# KiCad board rabbit_mask_capacitors_right.kicad_pcb (continued)
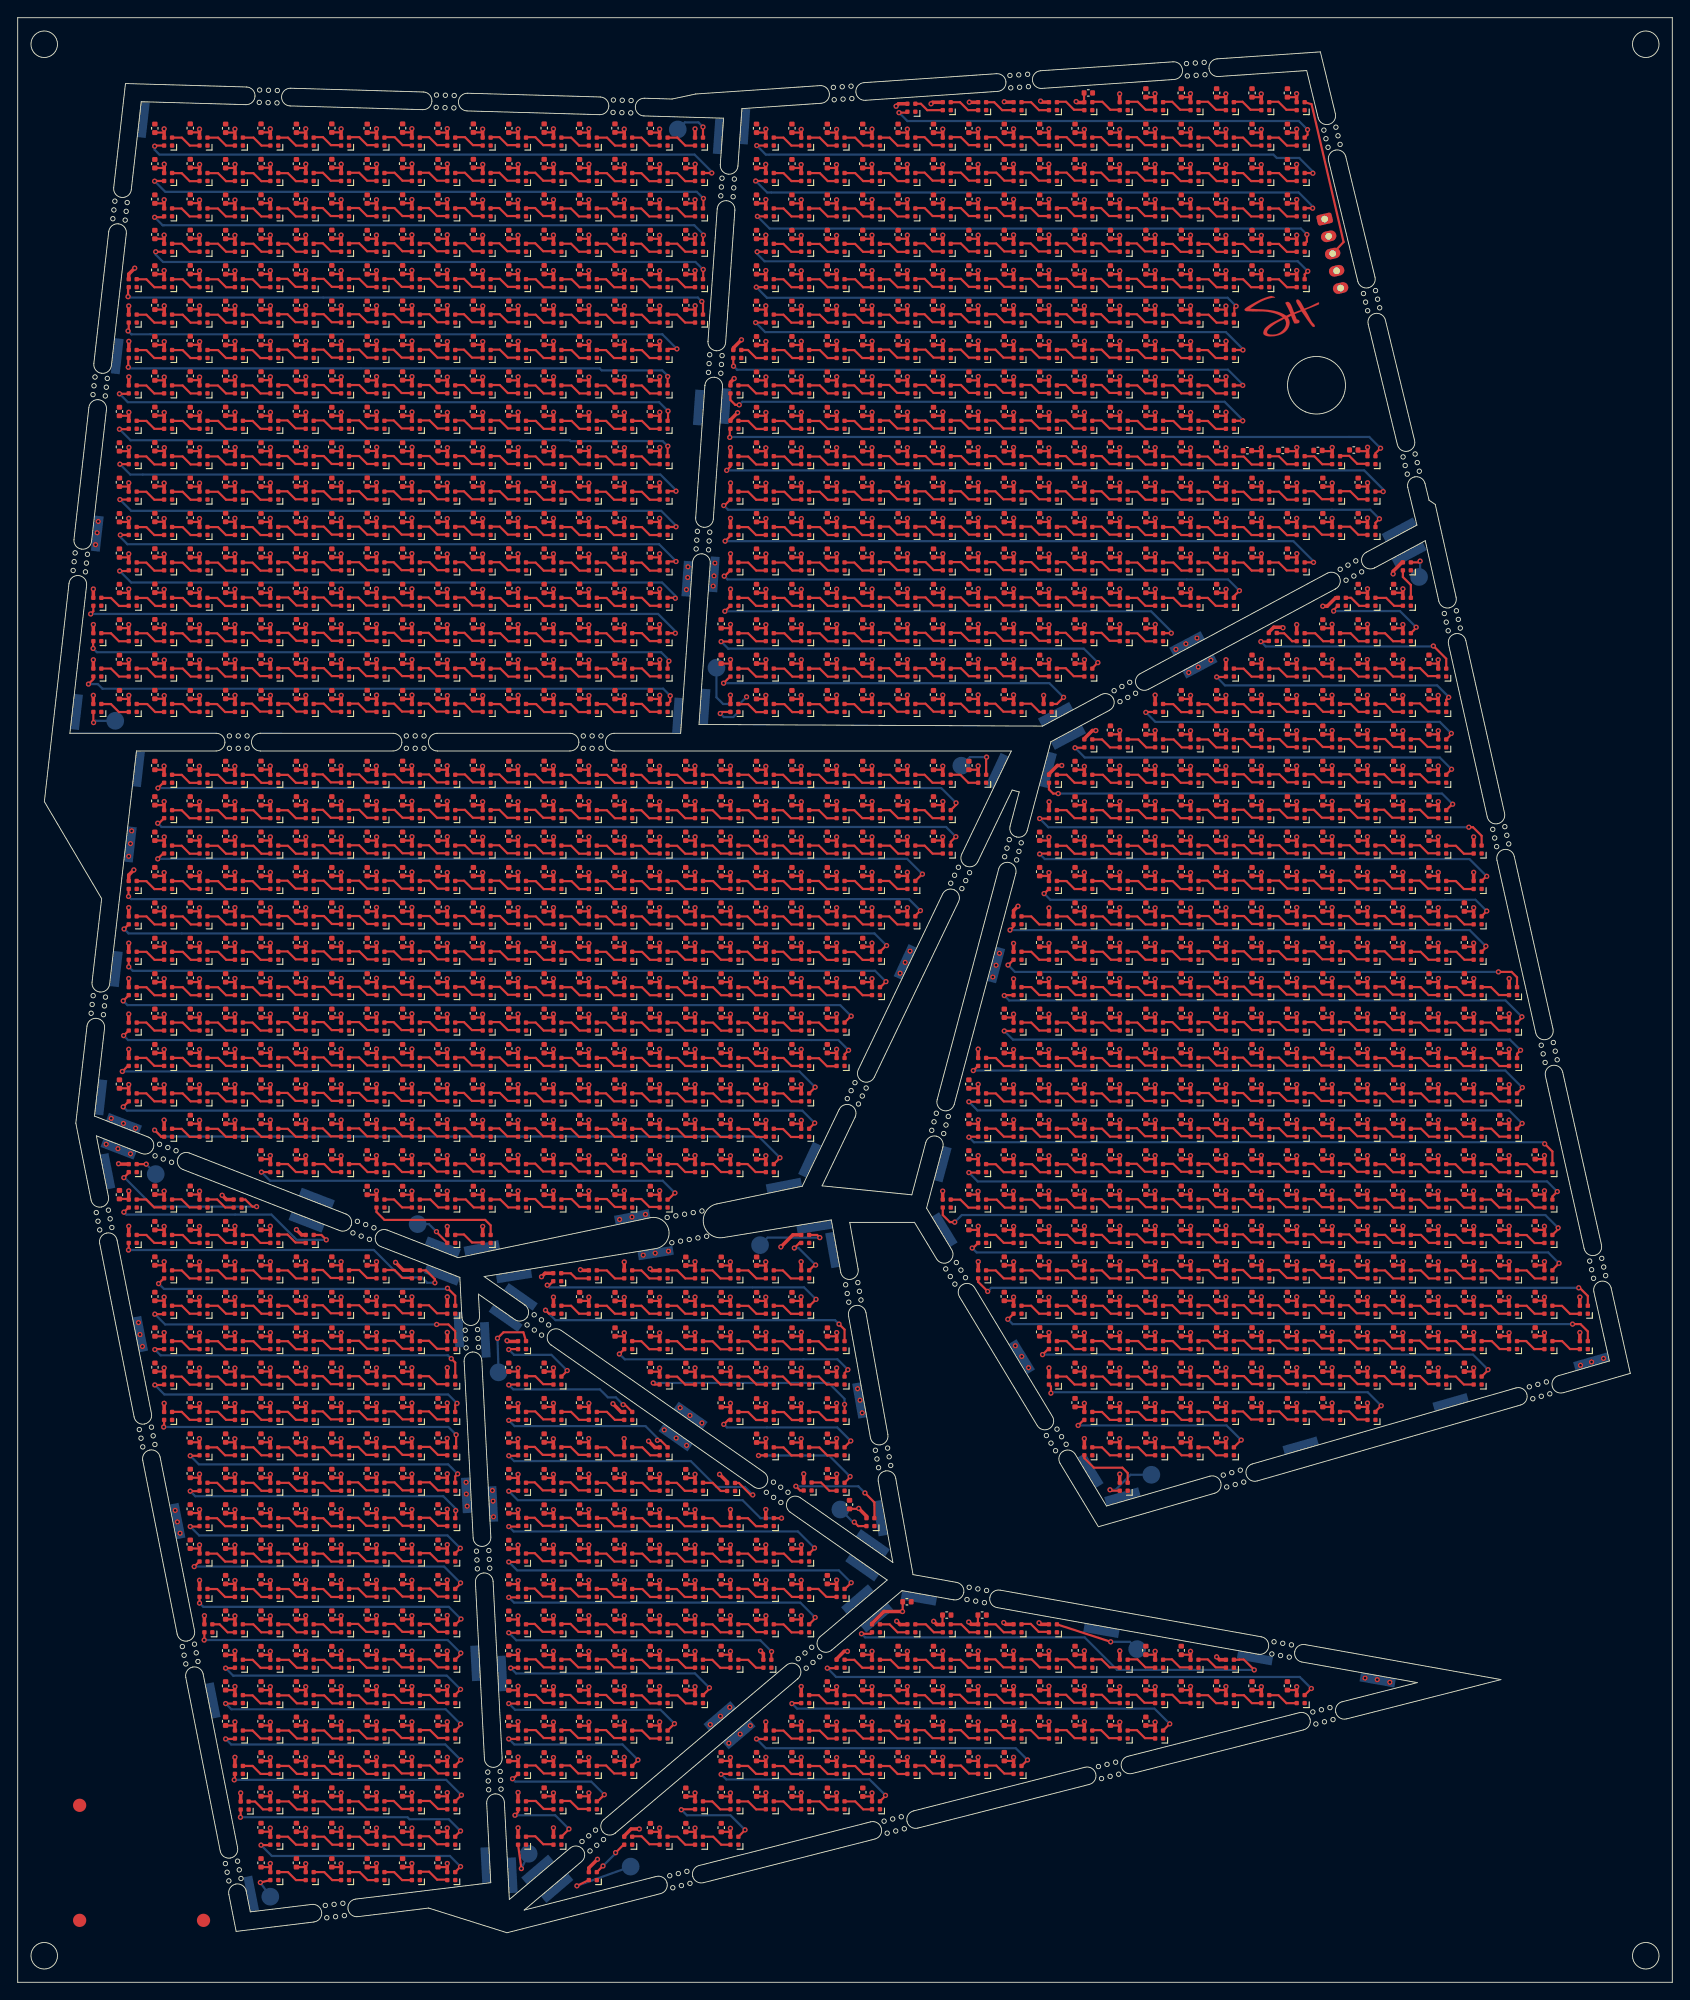
[diagram p0: board, top side]
## Routing (per net, layer and track width the routed paths; a pad name or vN(x,y) marks a point on that pad's centre or on a via; arc(x,y) is an arc through that point) (continued)
Net-(D1966-DIN): length 3.5
  Top w0.25: 29.49,152.49 30.59,152.49 31.49,151.59 32.59,151.59
Net-(D1967-DIN): length 3.5
  Top w0.25: 33.49,152.49 34.59,152.49 35.49,151.59 36.59,151.59
Net-(D1968-DIN): length 3.5
  Top w0.25: 40.49,151.59 39.39,151.59 38.49,152.49 37.39,152.49
Net-(D1969-DIN): length 3.5
  Top w0.25: 41.44,152.49 42.54,152.49 43.44,151.59 44.54,151.59
Net-(D1970-DIN): length 3.5
  Top w0.25: 48.44,151.59 47.34,151.59 46.44,152.49 45.34,152.49
Net-(D1971-DIN): length 3.5
  Top w0.25: 52.49,151.59 51.39,151.59 50.49,152.49 49.39,152.49
Net-(D1972-DIN): length 3.5
  Top w0.25: 56.54,151.54 55.44,151.54 54.54,152.44 53.44,152.44
Net-(D1973-DIN): length 3.5
  Top w0.25: 60.59,151.54 59.49,151.54 58.59,152.44 57.49,152.44
Net-(D1974-DIN): length 3.5
  Top w0.25: 64.49,151.54 63.39,151.54 62.49,152.44 61.39,152.44
Net-(D1975-DIN): length 3.5
  Top w0.25: 65.44,152.44 66.54,152.44 67.44,151.54 68.54,151.54
Net-(D1976-DIN): length 3.5
  Top w0.25: 69.44,152.46 70.54,152.46 71.44,151.56 72.54,151.56
Net-(D1978-DIN): length 3.5
  Top w0.25: 81.45,152.44 82.55,152.44 83.45,151.54 84.55,151.54
Net-(D1978-DOUT): length 45.6
  Top w0.25: D2023.1 121.45,148.5 v1(122.07,149.12) ; v1(79.5,151.5) 80.5,151.5 D1978.3
  Bottom w0.25: v1(79.5,151.5) 80.3,150.7 120.5,150.7 v1(122.07,149.12)
Net-(D1979-DIN): length 3.5
  Top w0.25: 85.55,152.44 86.65,152.44 87.55,151.54 88.65,151.54
Net-(D1980-DIN): length 3.5
  Top w0.25: 92.65,151.54 91.55,151.54 90.65,152.44 89.55,152.44
Net-(D1981-DIN): length 3.5
  Top w0.25: 96.55,151.54 95.45,151.54 94.55,152.44 93.45,152.44
Net-(D1982-DIN): length 3.5
  Top w0.25: 100.5,151.59 99.4,151.59 98.5,152.49 97.4,152.49
Net-(D1983-DIN): length 3.5
  Top w0.25: 101.5,152.49 102.6,152.49 103.5,151.59 104.6,151.59
Net-(D1984-DIN): length 3.5
  Top w0.25: 108.6,151.59 107.5,151.59 106.6,152.49 105.5,152.49
Net-(D1985-DIN): length 3.5
  Top w0.25: 112.5,151.59 111.4,151.59 110.5,152.49 109.4,152.49
Net-(D1986-DIN): length 3.5
  Top w0.25: 113.45,152.49 114.55,152.49 115.45,151.59 116.55,151.59
Net-(D1987-DIN): length 3.5
  Top w0.25: 120.45,151.59 119.35,151.59 118.45,152.49 117.35,152.49
Net-(D1988-DIN): length 3.5
  Top w0.25: 121.4,152.49 122.5,152.49 123.4,151.59 124.5,151.59
Net-(D1989-DIN): length 3.5
  Top w0.25: 125.45,152.44 126.55,152.44 127.45,151.54 128.55,151.54
Net-(D1991-DIN): length 2.4
  Top w0.25: 142.54,152.44 143.13,152.44 144.04,151.54 144.54,151.54
Net-(D1991-DOUT): length 23.8
  Top w0.25: D2030.1 161.45,149.56 160.01,151 v1(160,151) ; v1(140.5,151.5) 141.32,151.5 D1991.3
  Bottom w0.25: v1(140.5,151.5) 141.05,150.95 159.95,150.95 v1(160,151)
Net-(D1992-DIN): length 3.5
  Top w0.25: 145.54,152.44 146.64,152.44 147.54,151.54 148.64,151.54
Net-(D1993-DIN): length 3.5
  Top w0.25: 152.64,151.54 151.54,151.54 150.64,152.44 149.54,152.44
Net-(D1994-DIN): length 3.5
  Top w0.25: 156.54,151.54 155.44,151.54 154.54,152.44 153.44,152.44
Net-(D1996-DIN): length 3.5
  Top w0.25: D1996.1 10.55,148.45 11.45,147.55 D1997.3
Net-(D1996-DOUT): length 68.4
  Top w0.25: v1(73.75,145.38) 73.75,144.75 D2047.1 ; v1(8,146.7) 8.55,147.25 D1996.3
  Bottom w0.25: v1(8,146.7) 9.05,146.7 9.57,146.18 72.95,146.18 v1(73.75,145.38)
Net-(D1997-DIN): length 3.5
  Top w0.25: 13.55,148.45 14.65,148.45 15.55,147.55 16.65,147.55
Net-(D1998-DIN): length 3.5
  Top w0.25: 20.65,147.55 19.55,147.55 18.65,148.45 17.55,148.45
Net-(D1999-DIN): length 3.5
  Top w0.25: D1999.1 22.55,148.45 23.45,147.55 D2000.3
Net-(D2000-DIN): length 3.5
  Top w0.25: 28.5,147.6 27.4,147.6 26.5,148.5 25.4,148.5
Net-(D2001-DIN): length 3.5
  Top w0.25: 29.5,148.5 30.6,148.5 31.5,147.6 32.6,147.6
Net-(D2002-DIN): length 3.5
  Top w0.25: 33.5,148.5 34.6,148.5 35.5,147.6 36.6,147.6
Net-(D2003-DIN): length 3.5
  Top w0.25: 37.4,148.5 38.5,148.5 39.4,147.6 40.5,147.6
Net-(D2004-DIN): length 3.5
  Top w0.25: 41.45,148.5 42.55,148.5 43.45,147.6 44.55,147.6
Net-(D2005-DIN): length 3.5
  Top w0.25: 48.45,147.6 47.35,147.6 46.45,148.5 45.35,148.5
Net-(D2006-DIN): length 3.5
  Top w0.25: 49.4,148.5 50.5,148.5 51.4,147.6 52.5,147.6
Net-(D2007-DIN): length 3.5
  Top w0.25: D2007.1 54.55,148.45 55.45,147.55 D2008.3
Net-(D2008-DIN): length 3.5
  Top w0.25: 57.5,148.45 58.6,148.45 59.5,147.55 60.6,147.55
Net-(D2009-DIN): length 3.5
  Top w0.25: 64.5,147.55 63.4,147.55 62.5,148.45 61.4,148.45
Net-(D2010-DIN): length 3.5
  Top w0.25: D2010.1 66.55,148.45 67.45,147.55 D2011.3
Net-(D2011-DIN): length 3.5
  Top w0.25: 72.55,147.57 71.45,147.57 70.55,148.47 69.45,148.47
Net-(D2013-DIN): length 3.5
  Top w0.25: 81.45,148.44 82.55,148.44 83.45,147.54 84.55,147.54
Net-(D2013-DOUT): length 41.8
  Top w0.25: D2057.1 117.45,144.45 v1(118.2,145.2) ; v1(79.77,146.8) 80.52,147.55 D2013.3
  Bottom w0.25: v1(118.2,145.2) 116.6,146.8 v1(79.77,146.8)
Net-(D2014-DIN): length 3.5
  Top w0.25: 88.65,147.54 87.55,147.54 86.65,148.44 85.55,148.44
Net-(D2015-DIN): length 3.5
  Top w0.25: 89.55,148.44 90.65,148.44 91.55,147.54 92.65,147.54
Net-(D2016-DIN): length 3.5
  Top w0.25: 93.45,148.44 94.55,148.44 95.45,147.54 96.55,147.54
Net-(D2017-DIN): length 3.5
  Top w0.25: 100.5,147.59 99.4,147.59 98.5,148.49 97.4,148.49
Net-(D2018-DIN): length 3.5
  Top w0.25: 104.6,147.59 103.5,147.59 102.6,148.49 101.5,148.49
Net-(D2019-DIN): length 3.5
  Top w0.25: 108.6,147.59 107.5,147.59 106.6,148.49 105.5,148.49
Net-(D2020-DIN): length 3.5
  Top w0.25: 112.5,147.59 111.4,147.59 110.5,148.49 109.4,148.49
Net-(D2021-DIN): length 3.5
  Top w0.25: 113.45,148.49 114.55,148.49 115.45,147.59 116.55,147.59
Net-(D2022-DIN): length 3.5
  Top w0.25: 120.45,147.59 119.35,147.59 118.45,148.49 117.35,148.49
Net-(D2024-DIN): length 3.5
  Top w0.25: 140.55,147.54 139.45,147.54 138.55,148.44 137.45,148.44
Net-(D2024-DOUT): length 29.1
  Top w0.25: v1(135.5,147.5) 136.5,147.5 D2024.3 ; v1(161.73,145.2) 161.45,144.93 D2066.1
  Bottom w0.25: v1(135.5,147.5) 136.45,146.55 160.43,146.55 161.73,145.26 v1(161.73,145.2)
Net-(D2025-DIN): length 3.5
  Top w0.25: 144.54,147.55 143.44,147.55 142.54,148.45 141.44,148.45
Net-(D2026-DIN): length 3.5
  Top w0.25: 148.64,147.55 147.54,147.55 146.64,148.45 145.54,148.45
Net-(D2027-DIN): length 3.5
  Top w0.25: 152.64,147.55 151.54,147.55 150.64,148.45 149.54,148.45
Net-(D2028-DIN): length 3.5
  Top w0.25: 153.44,148.45 154.54,148.45 155.44,147.55 156.54,147.55
Net-(D2029-DIN): length 3.5
  Top w0.25: 160.49,147.6 159.39,147.6 158.49,148.5 157.39,148.5
Net-(D2031-DIN): length 3.5
  Top w0.25: 12.54,143.54 11.44,143.54 10.54,144.44 9.44,144.44
Net-(D2032-DIN): length 3.5
  Top w0.25: 13.54,144.44 14.64,144.44 15.54,143.54 16.64,143.54
Net-(D2033-DIN): length 3.5
  Top w0.25: 20.64,143.54 19.54,143.54 18.64,144.44 17.54,144.44
Net-(D2034-DIN): length 3.5
  Top w0.25: 24.54,143.54 23.44,143.54 22.54,144.44 21.44,144.44
Net-(D2035-DIN): length 3.5
  Top w0.25: 28.49,143.59 27.39,143.59 26.49,144.49 25.39,144.49
Net-(D2036-DIN): length 3.5
  Top w0.25: 29.49,144.49 30.59,144.49 31.49,143.59 32.59,143.59
Net-(D2037-DIN): length 3.5
  Top w0.25: 36.59,143.59 35.49,143.59 34.59,144.49 33.49,144.49
Net-(D2038-DIN): length 3.5
  Top w0.25: 40.49,143.59 39.39,143.59 38.49,144.49 37.39,144.49
Net-(D2039-DIN): length 3.5
  Top w0.25: 41.44,144.49 42.54,144.49 43.44,143.59 44.54,143.59
Net-(D2040-DIN): length 3.5
  Top w0.25: 45.34,144.49 46.44,144.49 47.34,143.59 48.44,143.59
Net-(D2041-DIN): length 3.5
  Top w0.25: 49.39,144.49 50.49,144.49 51.39,143.59 52.49,143.59
Net-(D2042-DIN): length 3.5
  Top w0.25: 53.44,144.44 54.54,144.44 55.44,143.54 56.54,143.54
Net-(D2043-DIN): length 3.5
  Top w0.25: 60.59,143.54 59.49,143.54 58.59,144.44 57.49,144.44
Net-(D2044-DIN): length 3.5
  Top w0.25: 61.39,144.44 62.49,144.44 63.39,143.54 64.49,143.54
Net-(D2045-DIN): length 3.5
  Top w0.25: 68.54,143.54 67.44,143.54 66.54,144.44 65.44,144.44
Net-(D2046-DIN): length 3.5
  Top w0.25: 69.44,144.46 70.54,144.46 71.44,143.56 72.54,143.56
Net-(D2048-DIN): length 3.5
  Top w0.25: 81.45,144.43 82.55,144.43 83.45,143.53 84.55,143.53
Net-(D2049-DIN): length 3.5
  Top w0.25: 85.55,144.43 86.65,144.43 87.55,143.53 88.65,143.53
Net-(D2050-DIN): length 3.5
  Top w0.25: 89.55,144.43 90.65,144.43 91.55,143.53 92.65,143.53
Net-(D2051-DIN): length 3.5
  Top w0.25: 96.55,143.53 95.45,143.53 94.55,144.43 93.45,144.43
Net-(D2052-DIN): length 3.5
  Top w0.25: 97.4,144.48 98.5,144.48 99.4,143.58 100.5,143.58
Net-(D2053-DIN): length 3.5
  Top w0.25: 104.6,143.58 103.5,143.58 102.6,144.48 101.5,144.48
Net-(D2054-DIN): length 3.5
  Top w0.25: 105.5,144.48 106.6,144.48 107.5,143.58 108.6,143.58
Net-(D2055-DIN): length 3.5
  Top w0.25: 112.5,143.58 111.4,143.58 110.5,144.48 109.4,144.48
Net-(D2056-DIN): length 2.9
  Top w0.25: D2057.3 115.48,143.55 114.55,144.48 113.45,144.48
Net-(D2058-DIN): length 3.5
  Top w0.25: 132.6,143.53 131.5,143.53 130.6,144.43 129.5,144.43
Net-(D2058-DOUT): length 37.5
  Top w0.25: D2077.1 162.02,141.03 v1(162.02,141.12) ; D2058.3 127.55,143.55 v1(127.5,143.5)
  Bottom w0.25: v1(127.5,143.5) 128.57,142.43 160.73,142.43 v1(162.02,141.12)
Net-(D2059-DIN): length 3.5
  Top w0.25: 133.4,144.43 134.5,144.43 135.4,143.53 136.5,143.53
Net-(D2060-DIN): length 3.5
  Top w0.25: 137.45,144.43 138.55,144.43 139.45,143.53 140.55,143.53
Net-(D2061-DIN): length 3.5
  Top w0.25: 141.44,144.46 142.54,144.46 143.44,143.56 144.54,143.56
Net-(D2062-DIN): length 3.5
  Top w0.25: 145.54,144.46 146.64,144.46 147.54,143.56 148.64,143.56
Net-(D2063-DIN): length 3.5
  Top w0.25: 149.54,144.46 150.64,144.46 151.54,143.56 152.64,143.56
Net-(D2064-DIN): length 3.5
  Top w0.25: 156.54,143.56 155.44,143.56 154.54,144.46 153.44,144.46
Net-(D2065-DIN): length 3.5
  Top w0.25: 160.49,143.61 159.39,143.61 158.49,144.51 157.39,144.51
Net-(D2067-DIN): length 3.5
  Top w0.25: 121.45,140.44 122.55,140.44 123.45,139.54 124.55,139.54
Net-(D2067-DOUT): length 45.5
  Top w0.25: D2113.1 161.45,136.47 v1(162.05,137.07) ; v1(119.5,139.5) 120.5,139.5 D2067.3
  Bottom w0.25: v1(162.05,137.07) 160.73,138.4 120.6,138.4 v1(119.5,139.5)
Net-(D2068-DIN): length 3.5
  Top w0.25: 128.65,139.54 127.55,139.54 126.65,140.44 125.55,140.44
Net-(D2069-DIN): length 3.5
  Top w0.25: 132.65,139.54 131.55,139.54 130.65,140.44 129.55,140.44
Net-(D2070-DIN): length 3.5
  Top w0.25: 136.55,139.54 135.45,139.54 134.55,140.44 133.45,140.44
Net-(D2071-DIN): length 3.5
  Top w0.25: 137.4,140.49 138.5,140.49 139.4,139.59 140.5,139.59
Net-(D2072-DIN): length 3.5
  Top w0.25: 141.5,140.49 142.6,140.49 143.5,139.59 144.6,139.59
Net-(D2073-DIN): length 3.5
  Top w0.25: 148.6,139.59 147.5,139.59 146.6,140.49 145.5,140.49
Net-(D2074-DIN): length 3.5
  Top w0.25: 149.4,140.49 150.5,140.49 151.4,139.59 152.5,139.59
Net-(D2075-DIN): length 3.5
  Top w0.25: 156.55,139.59 155.45,139.59 154.55,140.49 153.45,140.49
Net-(D2076-DIN): length 3.5
  Top w0.25: 157.35,140.49 158.45,140.49 159.35,139.59 160.45,139.59
Net-(D2078-DIN): length 3.5
  Top w0.25: 20.54,135.54 19.44,135.54 18.54,136.44 17.44,136.44
Net-(D2078-DOUT): length 92.9
  Top w0.25: D2078.3 16.45,135.55 v1(15.85,134.95) ; v1(106.05,133.28) 106.05,133.05 D2136.1
  Bottom w0.25: v1(106.05,133.28) 104.38,134.95 v1(15.85,134.95)
Net-(D2079-DIN): length 3.5
  Top w0.25: 21.54,136.44 22.64,136.44 23.54,135.54 24.64,135.54
Net-(D2080-DIN): length 3.5
  Top w0.25: 25.54,136.44 26.64,136.44 27.54,135.54 28.64,135.54
Net-(D2081-DIN): length 3.5
  Top w0.25: 32.54,135.54 31.44,135.54 30.54,136.44 29.44,136.44
Net-(D2082-DIN): length 3.5
  Top w0.25: 36.49,135.59 35.39,135.59 34.49,136.49 33.39,136.49
Net-(D2083-DIN): length 3.5
  Top w0.25: 37.49,136.49 38.59,136.49 39.49,135.59 40.59,135.59
Net-(D2084-DIN): length 3.5
  Top w0.25: 41.49,136.49 42.59,136.49 43.49,135.59 44.59,135.59
Net-(D2085-DIN): length 3.5
  Top w0.25: 45.39,136.49 46.49,136.49 47.39,135.59 48.49,135.59
Net-(D2086-DIN): length 3.5
  Top w0.25: 49.44,136.49 50.54,136.49 51.44,135.59 52.54,135.59
Net-(D2087-DIN): length 3.5
  Top w0.25: 56.44,135.59 55.34,135.59 54.44,136.49 53.34,136.49
Net-(D2088-DIN): length 3.5
  Top w0.25: 60.49,135.59 59.39,135.59 58.49,136.49 57.39,136.49
Net-(D2089-DIN): length 3.5
  Top w0.25: 64.54,135.54 63.44,135.54 62.54,136.44 61.44,136.44
Net-(D2090-DIN): length 3.5
  Top w0.25: 65.49,136.44 66.59,136.44 67.49,135.54 68.59,135.54
Net-(D2091-DIN): length 3.5
  Top w0.25: 72.49,135.54 71.39,135.54 70.49,136.44 69.39,136.44
Net-(D2092-DIN): length 3.5
  Top w0.25: 73.44,136.44 74.54,136.44 75.44,135.54 76.54,135.54
Net-(D2093-DIN): length 3.5
  Top w0.25: D2094.3 79.45,135.55 78.55,136.45 D2093.1
Net-(D2094-DIN): length 3.5
  Top w0.25: 84.6,135.55 83.5,135.55 82.6,136.45 81.5,136.45
Net-(D2095-DIN): length 3.5
  Top w0.25: 85.4,136.45 86.5,136.45 87.4,135.55 88.5,135.55
Net-(D2096-DIN): length 3.5
  Top w0.25: D2096.1 90.55,136.45 91.45,135.55 D2097.3
Net-(D2097-DIN): length 3.5
  Top w0.25: 93.44,136.45 94.54,136.45 95.44,135.55 96.54,135.55
Net-(D2098-DIN): length 3.5
  Top w0.25: 97.49,136.45 98.59,136.45 99.49,135.55 100.59,135.55
Net-(D2099-DIN): length 3.5
  Top w0.25: 104.49,135.55 103.39,135.55 102.49,136.45 101.39,136.45
Net-(D2100-DIN): length 3.5
  Top w0.25: 108.54,135.55 107.44,135.55 106.54,136.45 105.44,136.45
Net-(D2102-DIN): length 3.5
  Top w0.25: 120.54,135.55 119.44,135.55 118.54,136.45 117.44,136.45
Net-(D2102-DOUT): length 48.1
  Top w0.25: D2102.3 116.55,134.8 117.02,134.32 v1(117.6,134.32) ; v1(162.18,133.12) 162.12,133.12 D2148.1
  Bottom w0.25: v1(117.6,134.32) 160.98,134.32 v1(162.18,133.12)
Net-(D2103-DIN): length 3.5
  Top w0.25: 124.64,135.55 123.54,135.55 122.64,136.45 121.54,136.45
Net-(D2104-DIN): length 3.5
  Top w0.25: 128.64,135.55 127.54,135.55 126.64,136.45 125.54,136.45
Net-(D2105-DIN): length 3.5
  Top w0.25: 129.44,136.45 130.54,136.45 131.44,135.55 132.54,135.55
Net-(D2106-DIN): length 3.5
  Top w0.25: 136.49,135.6 135.39,135.6 134.49,136.5 133.39,136.5
Net-(D2107-DIN): length 3.5
  Top w0.25: 140.59,135.6 139.49,135.6 138.59,136.5 137.49,136.5
Net-(D2108-DIN): length 3.5
  Top w0.25: 141.49,136.5 142.59,136.5 143.49,135.6 144.59,135.6
Net-(D2109-DIN): length 3.5
  Top w0.25: 148.49,135.6 147.39,135.6 146.49,136.5 145.39,136.5
Net-(D2110-DIN): length 3.5
  Top w0.25: 149.44,136.5 150.54,136.5 151.44,135.6 152.54,135.6
Net-(D2111-DIN): length 3.5
  Top w0.25: 156.44,135.6 155.34,135.6 154.44,136.5 153.34,136.5
Net-(D2112-DIN): length 3.5
  Top w0.25: 157.39,136.5 158.49,136.5 159.39,135.6 160.49,135.6
Net-(D2114-DIN): length 3.5
  Top w0.25: 20.54,131.54 19.44,131.54 18.54,132.44 17.44,132.44
Net-(D2114-DOUT): length 93
  Top w0.25: D2114.3 15.97,130.97 v1(15.82,130.97) ; v1(106.02,129.45) 105.45,128.88 D2171.1
  Bottom w0.25: v1(15.82,130.97) 16.25,130.55 104.93,130.55 v1(106.02,129.45)
Net-(D2115-DIN): length 3.5
  Top w0.25: 21.54,132.44 22.64,132.44 23.54,131.54 24.64,131.54
Net-(D2116-DIN): length 3.5
  Top w0.25: 25.54,132.44 26.64,132.44 27.54,131.54 28.64,131.54
Net-(D2117-DIN): length 3.5
  Top w0.25: 29.44,132.44 30.54,132.44 31.44,131.54 32.54,131.54
Net-(D2118-DIN): length 3.5
  Top w0.25: 36.49,131.59 35.39,131.59 34.49,132.49 33.39,132.49
Net-(D2119-DIN): length 3.5
  Top w0.25: 37.49,132.49 38.59,132.49 39.49,131.59 40.59,131.59
Net-(D2120-DIN): length 3.5
  Top w0.25: 44.59,131.59 43.49,131.59 42.59,132.49 41.49,132.49
Net-(D2121-DIN): length 3.5
  Top w0.25: 48.49,131.59 47.39,131.59 46.49,132.49 45.39,132.49
Net-(D2122-DIN): length 3.5
  Top w0.25: 49.44,132.49 50.54,132.49 51.44,131.59 52.54,131.59
Net-(D2123-DIN): length 3.5
  Top w0.25: 53.34,132.49 54.44,132.49 55.34,131.59 56.44,131.59
Net-(D2124-DIN): length 3.5
  Top w0.25: 57.39,132.49 58.49,132.49 59.39,131.59 60.49,131.59
Net-(D2125-DIN): length 3.5
  Top w0.25: 64.54,131.54 63.44,131.54 62.54,132.44 61.44,132.44
Net-(D2126-DIN): length 3.5
  Top w0.25: 65.49,132.44 66.59,132.44 67.49,131.54 68.59,131.54
Net-(D2127-DIN): length 3.5
  Top w0.25: 69.39,132.44 70.49,132.44 71.39,131.54 72.49,131.54
Net-(D2128-DIN): length 3.5
  Top w0.25: 76.54,131.54 75.44,131.54 74.54,132.44 73.44,132.44
Net-(D2129-DIN): length 3.5
  Top w0.25: 77.45,132.44 78.55,132.44 79.45,131.54 80.55,131.54
Net-(D2130-DIN): length 3.5
  Top w0.25: 84.6,131.54 83.5,131.54 82.6,132.44 81.5,132.44
Net-(D2131-DIN): length 3.5
  Top w0.25: 85.4,132.44 86.5,132.44 87.4,131.54 88.5,131.54
Net-(D2132-DIN): length 3.5
  Top w0.25: 92.55,131.54 91.45,131.54 90.55,132.44 89.45,132.44
Net-(D2133-DIN): length 3.5
  Top w0.25: D2134.3 95.45,131.55 94.55,132.45 D2133.1
Net-(D2134-DIN): length 3.5
  Top w0.25: 100.6,131.55 99.5,131.55 98.6,132.45 97.5,132.45
Net-(D2135-DIN): length 3.5
  Top w0.25: 101.4,132.45 102.5,132.45 103.4,131.55 104.5,131.55
Net-(D2137-DIN): length 3.5
  Top w0.25: 117.44,132.45 118.54,132.45 119.44,131.55 120.54,131.55
Net-(D2137-DOUT): length 52.9
  Top w0.25: D2184.1 165.45,129.55 164.48,130.53 v1(164,130.53) ; v1(115.5,131.5) 116.5,131.5 D2137.3
  Bottom w0.25: v1(115.5,131.5) 116.48,130.53 v1(164,130.53)
Net-(D2138-DIN): length 3.5
  Top w0.25: 124.64,131.55 123.54,131.55 122.64,132.45 121.54,132.45
Net-(D2139-DIN): length 3.5
  Top w0.25: 128.64,131.55 127.54,131.55 126.64,132.45 125.54,132.45
Net-(D2140-DIN): length 3.5
  Top w0.25: 129.44,132.45 130.54,132.45 131.44,131.55 132.54,131.55
Net-(D2141-DIN): length 3.5
  Top w0.25: 136.49,131.6 135.39,131.6 134.49,132.5 133.39,132.5
Net-(D2142-DIN): length 3.5
  Top w0.25: 140.59,131.6 139.49,131.6 138.59,132.5 137.49,132.5
Net-(D2143-DIN): length 3.5
  Top w0.25: 144.59,131.6 143.49,131.6 142.59,132.5 141.49,132.5
Net-(D2144-DIN): length 3.5
  Top w0.25: 148.49,131.6 147.39,131.6 146.49,132.5 145.39,132.5
Net-(D2145-DIN): length 3.5
  Top w0.25: 152.54,131.6 151.44,131.6 150.54,132.5 149.44,132.5
Net-(D2146-DIN): length 3.5
  Top w0.25: 156.44,131.6 155.34,131.6 154.44,132.5 153.34,132.5
Net-(D2147-DIN): length 3.5
  Top w0.25: 157.39,132.5 158.49,132.5 159.39,131.6 160.49,131.6
Net-(D2149-DIN): length 3.5
  Top w0.25: 20.54,127.53 19.44,127.53 18.54,128.43 17.44,128.43
Net-(D2149-DOUT): length 89.2
  Top w0.25: D2207.1 102.23,125.22 v1(102.25,125.22) ; D2149.3 16.43,127.55 v1(15.82,126.95)
  Bottom w0.25: v1(102.25,125.22) 100.52,126.95 v1(15.82,126.95)
Net-(D2150-DIN): length 3.5
  Top w0.25: 21.54,128.43 22.64,128.43 23.54,127.53 24.64,127.53
Net-(D2151-DIN): length 3.5
  Top w0.25: 28.64,127.53 27.54,127.53 26.64,128.43 25.54,128.43
Net-(D2152-DIN): length 3.5
  Top w0.25: 29.44,128.43 30.54,128.43 31.44,127.53 32.54,127.53
Net-(D2153-DIN): length 3.5
  Top w0.25: 33.39,128.48 34.49,128.48 35.39,127.58 36.49,127.58
Net-(D2154-DIN): length 3.5
  Top w0.25: 40.59,127.58 39.49,127.58 38.59,128.48 37.49,128.48
Net-(D2155-DIN): length 3.5
  Top w0.25: 44.59,127.58 43.49,127.58 42.59,128.48 41.49,128.48
Net-(D2156-DIN): length 3.5
  Top w0.25: 48.49,127.58 47.39,127.58 46.49,128.48 45.39,128.48
Net-(D2157-DIN): length 3.5
  Top w0.25: 52.54,127.58 51.44,127.58 50.54,128.48 49.44,128.48
Net-(D2158-DIN): length 3.5
  Top w0.25: 53.34,128.48 54.44,128.48 55.34,127.58 56.44,127.58
Net-(D2159-DIN): length 3.5
  Top w0.25: 57.39,128.48 58.49,128.48 59.39,127.58 60.49,127.58
Net-(D2160-DIN): length 3.5
  Top w0.25: 61.44,128.43 62.54,128.43 63.44,127.53 64.54,127.53
Net-(D2161-DIN): length 3.5
  Top w0.25: 65.49,128.43 66.59,128.43 67.49,127.53 68.59,127.53
Net-(D2162-DIN): length 3.5
  Top w0.25: 72.49,127.53 71.39,127.53 70.49,128.43 69.39,128.43
Net-(D2163-DIN): length 3.5
  Top w0.25: 73.44,128.43 74.54,128.43 75.44,127.53 76.54,127.53
Net-(D2164-DIN): length 3.5
  Top w0.25: D2164.1 78.55,128.45 79.45,127.55 D2165.3
Net-(D2165-DIN): length 3.5
  Top w0.25: 84.6,127.55 83.5,127.55 82.6,128.45 81.5,128.45
Net-(D2166-DIN): length 3.5
  Top w0.25: 88.5,127.55 87.4,127.55 86.5,128.45 85.4,128.45
Net-(D2167-DIN): length 3.5
  Top w0.25: D2168.3 91.45,127.55 90.55,128.45 D2167.1
Net-(D2168-DIN): length 3.5
  Top w0.25: 93.45,128.44 94.55,128.44 95.45,127.54 96.55,127.54
Net-(D2169-DIN): length 3.5
  Top w0.25: 97.5,128.44 98.6,128.44 99.5,127.54 100.6,127.54
Net-(D2170-DIN): length 3.5
  Top w0.25: 104.5,127.54 103.4,127.54 102.5,128.44 101.4,128.44
Net-(D2172-DIN): length 3.5
  Top w0.25: 117.44,128.43 118.54,128.43 119.44,127.53 120.54,127.53
Net-(D2172-DOUT): length 53.4
  Top w0.25: D2172.3 115.55,127.55 v1(115.5,127.5) ; D2220.1 165.98,124.97 v1(166.02,124.97)
  Bottom w0.25: v1(115.5,127.5) 116.07,126.92 164.07,126.92 v1(166.02,124.97)
Net-(D2173-DIN): length 3.5
  Top w0.25: 121.54,128.43 122.64,128.43 123.54,127.53 124.64,127.53
Net-(D2174-DIN): length 3.5
  Top w0.25: 125.54,128.43 126.64,128.43 127.54,127.53 128.64,127.53
Net-(D2175-DIN): length 3.5
  Top w0.25: 129.44,128.43 130.54,128.43 131.44,127.53 132.54,127.53
Net-(D2176-DIN): length 3.5
  Top w0.25: 133.39,128.48 134.49,128.48 135.39,127.58 136.49,127.58
Net-(D2177-DIN): length 3.5
  Top w0.25: 137.49,128.48 138.59,128.48 139.49,127.58 140.59,127.58
Net-(D2178-DIN): length 3.5
  Top w0.25: 144.59,127.58 143.49,127.58 142.59,128.48 141.49,128.48
Net-(D2179-DIN): length 3.5
  Top w0.25: 148.49,127.58 147.39,127.58 146.49,128.48 145.39,128.48
Net-(D2180-DIN): length 3.5
  Top w0.25: 152.54,127.58 151.44,127.58 150.54,128.48 149.44,128.48
Net-(D2181-DIN): length 3.5
  Top w0.25: 153.34,128.48 154.44,128.48 155.34,127.58 156.44,127.58
Net-(D2182-DIN): length 3.5
  Top w0.25: 160.49,127.58 159.39,127.58 158.49,128.48 157.39,128.48
Net-(D2183-DIN): length 3.5
  Top w0.25: 161.44,128.43 162.54,128.43 163.44,127.53 164.54,127.53
Net-(D2185-DIN): length 3.5
  Top w0.25: 16.55,123.53 15.45,123.53 14.55,124.43 13.45,124.43
Net-(D2185-DOUT): length 91.9
  Top w0.25: v1(12.53,122.7) 12.53,123.53 D2185.3 ; v1(102.02,121.1) 101.45,120.53 D2243.1
  Bottom w0.25: v1(12.53,122.7) 12.82,122.4 100.73,122.4 v1(102.02,121.1)
Net-(D2186-DIN): length 3.5
  Top w0.25: 17.55,124.43 18.65,124.43 19.55,123.53 20.65,123.53
Net-(D2187-DIN): length 3.5
  Top w0.25: 24.65,123.53 23.55,123.53 22.65,124.43 21.55,124.43
Net-(D2188-DIN): length 3.5
  Top w0.25: 28.55,123.53 27.45,123.53 26.55,124.43 25.45,124.43
Net-(D2189-DIN): length 3.5
  Top w0.25: 29.4,124.48 30.5,124.48 31.4,123.58 32.5,123.58
Net-(D2190-DIN): length 3.5
  Top w0.25: 36.6,123.58 35.5,123.58 34.6,124.48 33.5,124.48
Net-(D2191-DIN): length 3.5
  Top w0.25: 40.6,123.58 39.5,123.58 38.6,124.48 37.5,124.48
Net-(D2192-DIN): length 3.5
  Top w0.25: 41.4,124.48 42.5,124.48 43.4,123.58 44.5,123.58
Net-(D2193-DIN): length 3.5
  Top w0.25: 48.55,123.58 47.45,123.58 46.55,124.48 45.45,124.48
Net-(D2194-DIN): length 3.5
  Top w0.25: 49.35,124.48 50.45,124.48 51.35,123.58 52.45,123.58
Net-(D2195-DIN): length 3.5
  Top w0.25: 53.4,124.48 54.5,124.48 55.4,123.58 56.5,123.58
Net-(D2196-DIN): length 3.5
  Top w0.25: 57.45,124.43 58.55,124.43 59.45,123.53 60.55,123.53
Net-(D2197-DIN): length 3.5
  Top w0.25: 64.6,123.53 63.5,123.53 62.6,124.43 61.5,124.43
Net-(D2198-DIN): length 3.5
  Top w0.25: 68.5,123.53 67.4,123.53 66.5,124.43 65.4,124.43
Net-(D2199-DIN): length 3.5
  Top w0.25: 72.55,123.53 71.45,123.53 70.55,124.43 69.45,124.43
Net-(D2200-DIN): length 3.5
  Top w0.25: 76.54,123.54 75.44,123.54 74.54,124.44 73.44,124.44
Net-(D2201-DIN): length 3.5
  Top w0.25: 80.59,123.54 79.49,123.54 78.59,124.44 77.49,124.44
Net-(D2202-DIN): length 3.5
  Top w0.25: 81.39,124.44 82.49,124.44 83.39,123.54 84.49,123.54
Net-(D2203-DIN): length 3.5
  Top w0.25: 85.44,124.44 86.54,124.44 87.44,123.54 88.54,123.54
Net-(D2204-DIN): length 3.5
  Top w0.25: 92.56,123.55 91.46,123.55 90.56,124.45 89.46,124.45
Net-(D2205-DIN): length 3.5
  Top w0.25: 96.61,123.55 95.51,123.55 94.61,124.45 93.51,124.45
Net-(D2206-DIN): length 3.5
  Top w0.25: 100.51,123.55 99.41,123.55 98.51,124.45 97.41,124.45
Net-(D2208-DIN): length 3.5
  Top w0.25: 120.54,123.54 119.44,123.54 118.54,124.44 117.44,124.44
Net-(D2208-DOUT): length 52.4
  Top w0.25: D2208.3 116.02,123.03 v1(116,123.03) ; v1(166.02,121.05) 165.45,120.47 D2257.1
  Bottom w0.25: v1(166.02,121.05) 164.75,122.33 116.7,122.33 v1(116,123.03)
Net-(D2209-DIN): length 3.5
  Top w0.25: 121.54,124.44 122.64,124.44 123.54,123.54 124.64,123.54
Net-(D2210-DIN): length 3.5
  Top w0.25: 125.54,124.44 126.64,124.44 127.54,123.54 128.64,123.54
Net-(D2211-DIN): length 3.5
  Top w0.25: 132.54,123.54 131.44,123.54 130.54,124.44 129.44,124.44
Net-(D2212-DIN): length 3.5
  Top w0.25: 136.49,123.59 135.39,123.59 134.49,124.49 133.39,124.49
Net-(D2213-DIN): length 3.5
  Top w0.25: 140.59,123.59 139.49,123.59 138.59,124.49 137.49,124.49
Net-(D2214-DIN): length 3.5
  Top w0.25: 144.59,123.59 143.49,123.59 142.59,124.49 141.49,124.49
Net-(D2215-DIN): length 3.5
  Top w0.25: 148.49,123.59 147.39,123.59 146.49,124.49 145.39,124.49
Net-(D2216-DIN): length 3.5
  Top w0.25: 152.54,123.59 151.44,123.59 150.54,124.49 149.44,124.49
Net-(D2217-DIN): length 3.5
  Top w0.25: 153.34,124.49 154.44,124.49 155.34,123.59 156.44,123.59
Net-(D2218-DIN): length 3.5